# Altium PCB main_MM.PcbDoc (part 1 of 2) (continued)
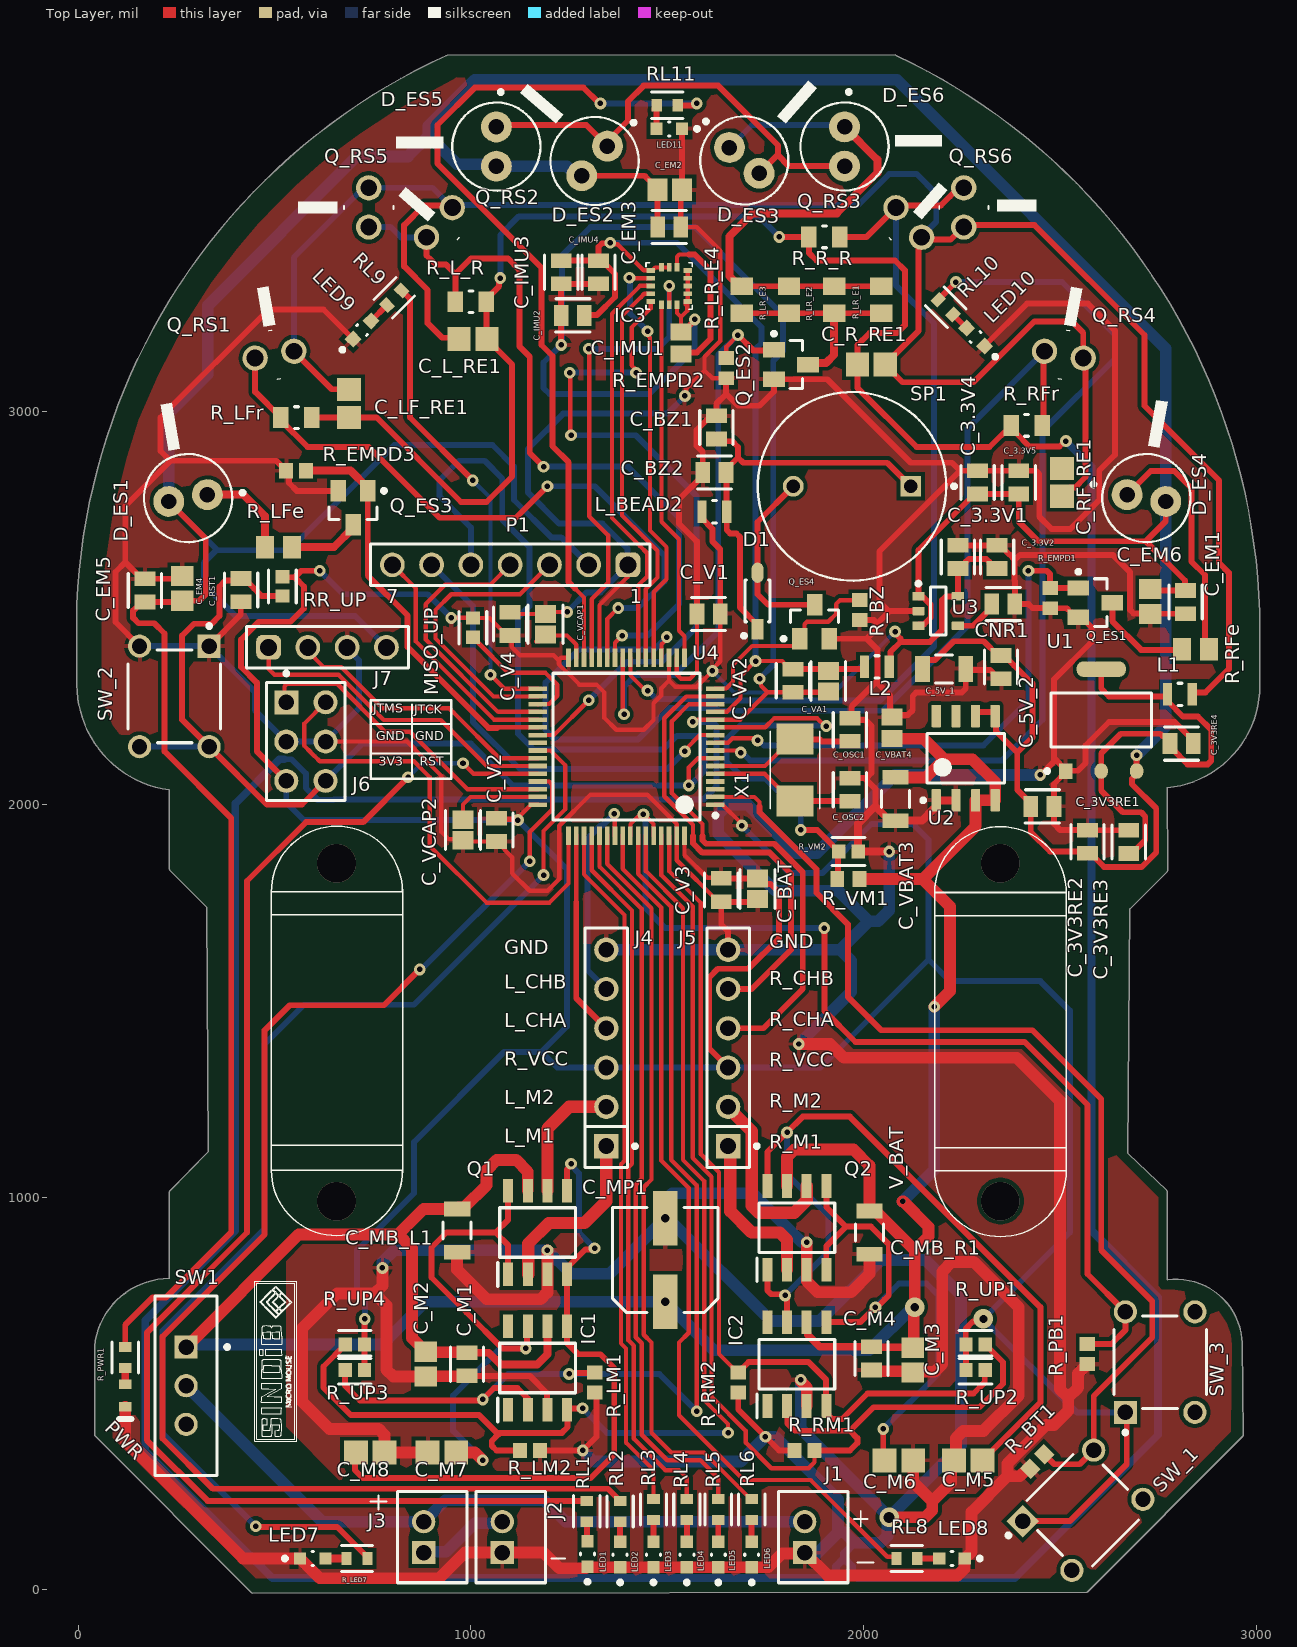
[diagram p0: Top Layer view]
## Footprints (in the part's own frame and the unit in brackets; to place one, negate y for a bottom-side part, rotate by r counter-clockwise, add the part's x,y. Pads: shape width x height; smd on the part's side, far side on the other; paste and mask are expansions set on the pad)
61300411121 [mm] "Pin Header, pitch 2.54 mm, THT, Vertical, single row, 4p"
  rrect50% 1.6x1.6 hole 1.1: 1(-3.81,0)
  round 1.6 hole 1.1: 2(-1.27,0) 3(1.27,0) 4(3.81,0)
  silkscreen extent -5.23,-1.35 5.23,1.35, body extent -5.08,-1.27 5.08,1.27, height 8.57
61300711121 [mm] "Pin Header, pitch 2.54 mm, THT, Vertical, single row, 7p"
  rrect50% 1.6x1.6 hole 1.1: 1(-7.62,0)
  round 1.6 hole 1.1: 2(-5.08,0) 3(-2.54,0) 4(0,0) 5(2.54,0) 6(5.08,0) 7(7.62,0)
  silkscreen extent -9.04,-1.34 9.04,1.34, body extent -8.89,-1.27 8.89,1.27, height 8.57
CAPC2013X88X50LL20T25 [mm] "Chip Capacitor, 2-Leads, Body 2.00x1.25mm, IPC High Density"
  rect 1.1x1.35 smd: 1(-0.7,0) 2(0.7,0)
  body extent -1.1,-0.72 1.1,0.72, height 0.88
CAPC2013X94X50ML20T25 [mm] "Chip Capacitor, 2-Leads, Body 2.01x1.25mm, IPC Low Density"
  rect 1.55x1.55 smd: 1(-0.925,0) 2(0.925,0)
  body extent -1.1,-0.72 1.11,0.72, height 0.94
CAPC2013X145X50LL20T25 [mm] "Chip Capacitor, 2-Leads, Body 2.00x1.25mm, IPC High Density"
  rect 1.1x1.35 smd: 1(-0.7,0) 2(0.7,0)
  body extent -1.1,-0.72 1.1,0.72, height 1.45
CAPC2013X145X50ML20T25 [mm] "Chip Capacitor, 2-Leads, Body 2.00x1.25mm, IPC Low Density"
  rect 1.5x1.55 smd: 1(-0.9,0) 2(0.9,0)
  body extent -1.1,-0.72 1.1,0.72, height 1.45
CAPC2013X145X50NL20T25 [mm] "Chip Capacitor, 2-Leads, Body 2.00x1.25mm, IPC Medium Density"
  rect 1.3x1.45 smd: 1(-0.8,0) 2(0.8,0)
  body extent -1.1,-0.72 1.1,0.72, height 1.45
D0008A_N [mm] "SOIC, 8-Leads, Body 5x4mm, Pitch 1.27mm, IPC Medium Density"
  rrect17% 1.45x0.6 smd: 1(-2.725,1.905) 2(-2.725,0.635) 3(-2.725,-0.635) 4(-2.725,-1.905) 5(2.725,-1.905) 6(2.725,-0.635) 7(2.725,0.635) 8(2.725,1.905)
  silkscreen extent -2.85,-2.5 1.6,2.88, body extent -3,-2.45 3,2.45, height 1.63
DBV0005A_L [mm] "SOT23, 5-Leads, Body 3.05x1.75mm, Pitch 0.95mm, IPC High Density"
  rrect18% 0.8x0.55 smd: 1(-1.275,0.95) 2(-1.275,0) 3(-1.275,-0.95) 4(1.275,-0.95) 5(1.275,0.95)
  silkscreen extent -1.4,-1.55 0.5,1.9, body extent -1.42,-1.46 1.42,1.46, height 1.08
ESWI-EG1218_V [mm] "THD, 3-Leads, Body 11.6x4mm, Pitch 2.5mm"
  rect 1.5x1.5 hole 1: 1(-2.5,0)
  round 1.5 hole 1: 2(0,0) 3(2.5,0)
  silkscreen extent -5.8,-2 5.8,2.78, body extent -5.8,-2 5.8,2, height 7.4
FAIR-FDV303N-3_V [mm] "SOT23, 3-Leads, Body 3.12x1.50mm, Pitch 0.95mm"
  rect 1.4x1 smd: 1(-1.1,0.95) 2(-1.1,-0.95) 3(1.1,0)
  silkscreen extent -1.22,-1.55 0.75,2.12, body extent -0.75,-1.56 0.75,1.56, height 1.2
FP-22-28-4063-MFG [mm]
  rect 1.57x1.57 hole 1.02 paste-1000 mask+0: 1(-6.35,0)
  round 1.57 hole 1.02 paste-1000 mask+0: 2(-3.81,0) 3(-1.27,0) 4(1.27,0) 5(3.81,0) 6(6.35,0)
  silkscreen extent -7.75,-1.97 7.75,1.37, body extent -7.85,-1.47 7.85,1.47, height 0.25
FP-90131-0763-MFG [mm]
  rect 1.55x1.55 hole 1 paste-1000 mask+0: 1(-2.54,-1.27)
  round 1.55 hole 1 paste-1000 mask+0: 2(-2.54,1.27) 3(0,-1.27) 4(0,1.27) 5(2.54,-1.27) 6(2.54,1.27)
  silkscreen extent -4.53,-2.54 3.81,2.54, body extent -3.91,-2.64 3.91,2.64, height 0.25
FP-AI-1223-TWT-3V-2-R-MFG [mm]
  rect 1.35x1.35 hole 0.85 paste-1000 mask+0: 1(-3.8,0)
  round 1.35 hole 0.85 paste-1000 mask+0: 2(3.8,0)
  silkscreen extent -6.73,-6.1 6.1,6.1, body extent -6.2,-6.2 6.2,6.2, height 0.25
FP-AMS1117-IPC_C [mm]
  rect 1.004x0.872 smd paste+0 mask+0: 1(-3.295,2.29)
  rrect100% 1.004x0.872 smd paste+0 mask+0: 2(-3.295,0) 3(-3.295,-2.29)
  rrect87% 1.004x3.182 smd paste+0 mask+0: 4(3.295,0)
  silkscreen extent -3.42,-3.25 1.75,3.62, body extent -3.9,-3.35 3.9,3.35, height 0.25
FP-C0805C-DG-MFG [mm]
  rect 0.95x1.35 smd paste+0 mask+0: 1(-0.75,0) 2(0.75,0)
  silkscreen extent -1.11,-1.08 1.1,1.07, body extent -1.4,-0.85 1.4,0.85, height 0.25
FP-C0805C-DN-MFG [mm]
  rect 0.95x1.35 smd paste+0 mask+0: 1(-0.75,0) 2(0.75,0)
  silkscreen extent -1.1,-1.07 1.1,1.07, body extent -1.4,-0.85 1.4,0.85, height 0.25
FP-C1206C-EH-MFG [mm]
  rect 0.95x1.7 smd paste+0 mask+0: 1(-1.4,0) 2(1.4,0)
  silkscreen extent -0.55,-0.9 0.55,0.9, body extent -2,-1 2,1, height 0.25
FP-C2012-125-0_2-IPC_C [mil]
  rect 46.38x53.39 smd paste+0 mask+0: 1(-26.14,0) 2(26.14,0)
  silkscreen extent -49,-44 49,44, body extent -53,-32 53,32, height 10
FP-ERA3A-IPC_C [mil]
  rect 33.66x35.68 smd paste+0 mask+0: 1(-24.63,0) 2(24.63,0)
  silkscreen extent -41,-35 41,35, body extent -45,-24 45,24, height 10
FP-LB2012-1_25-0_2-MFG [mm]
  rect 0.6x1.45 smd paste+0 mask+0: 1(-0.8,0) 2(0.8,0)
  silkscreen extent -0.13,-0.73 0.13,0.73, body extent -1.2,-0.82 1.2,0.82, height 0.25
FP-RC0603-0_55-IPC_C [mil]
  rect 25.93x31.97 smd paste+0 mask+0: 1(-26.64,0) 2(26.64,0)
  silkscreen extent -40,-33 40,33, body extent -44,-22 44,22, height 10
FP-RN732A-MFG [mm]
  rect 1x1.35 smd paste+0 mask+0: 1(-1,0) 2(1,0)
  silkscreen extent -0.13,-0.7 0.13,0.7, body extent -1.6,-0.8 1.6,0.8, height 0.25
FP-SFH_4556-MFG [mm]
  round 2 hole 1 paste-1000 mask+0: 1(-1.27,0) 2(1.27,0)
  silkscreen extent -3.65,-2.85 2.85,2.85, body extent -2.95,-2.95 2.95,2.95, height 0.25
FP-SML-D12-MFG [mm]
  rect 0.8x0.8 smd paste+0 mask+0: 1(-0.825,0) 2(0.825,0)
  silkscreen extent -1.92,-0.45 0.05,0.45, body extent -1.33,-0.55 1.33,0.55, height 0.25
FP-SOD-123-IPC_A [mm]
  rect 1.308x0.762 smd paste+0 mask+0: 1(-1.825,0)
  rrect100% 1.308x0.762 smd paste+0 mask+0: 2(1.825,0)
  silkscreen extent -2.39,-0.8 1.35,1.01, body extent -2.98,-1.3 2.98,1.3, height 0.25
H3LIS100DLTR [mm]
  rect 0.55x0.3 smd: 1(-1.2,1) 2(-1.2,0.5) 3(-1.2,0) 4(-1.2,-0.5) 5(-1.2,-1) 9(1.2,-1) 10(1.2,-0.5) 11(1.2,0) 12(1.2,0.5) 13(1.2,1)
  rect 0.3x0.55 smd: 6(-0.5,-1.2) 7(0,-1.2) 8(0.5,-1.2) 14(0.5,1.2) 15(0,1.2) 16(-0.5,1.2)
  silkscreen extent -1.5,-1.5 1.5,1.5, body extent -1.5,-1.5 1.5,1.5, height 1
JST-B2B-PH-K-S_V [mm] "Connector, 2-Leads, Body 5.9x4.5mm, Pitch 2mm"
  rect 1.5x1.5 hole 1: 1(-1,0.55)
  round 1.5 hole 1: 2(1,0.55)
  silkscreen extent -2.95,-2.25 2.95,2.25, body extent -2.95,-2.25 2.95,2.25, height 6
NETTIE_SMD [mil] "Net Tie"
  rect 3x3 smd mask-393.7: 1(-6.17,0.03) 2(5.74,0.03)
  Top Layer region: -5.11,0.71 4.89,0.71 4.89,-0.79 -5.11,-0.79
NIC-CAPA2-6.3X7.7_V [mm] "Aluminum Electrolytic Capacitor, Diameter 6.3mm, Height 8mm, Pitch 5.4mm"
  rect 3.5x1.6 smd: 1(-2.7,0) 2(2.7,0)
  silkscreen extent -3.4,-3.4 3.4,3.4, body extent -3.14,-3.12 3.14,3.15, height 8
NX5032GA16000000MHZLNCD1 [mm]
  rect 2x2.4 smd: 1(-2,0) 2(2,0)
  silkscreen extent -2.5,-1.6 2.5,1.6, body extent -2.8,-1.6 2.8,1.6, height 1.6
RESC1608X55X30ML15T15 [mm] "Chip Resistor, 2-Leads, Body 1.60x0.80mm, IPC Low Density"
  rect 0.9x1.05 smd: 1(-0.725,0) 2(0.725,0)
  body extent -0.87,-0.48 0.87,0.48, height 0.55
RESC1608X55X30NL20T20 [mm] "Chip Resistor, 2-Leads, Body 1.60x0.80mm, IPC Medium Density"
  rect 0.9x1 smd: 1(-0.65,0) 2(0.65,0)
  body extent -0.9,-0.5 0.9,0.5, height 0.55
RESC2013X70X40NL20T20 [mm] "Chip Resistor, 2-Leads, Body 2.00x1.25mm, IPC Medium Density"
  rect 1.15x1.45 smd: 1(-0.875,0) 2(0.875,0)
  body extent -1.1,-0.72 1.1,0.72, height 0.7
SOIC127P600X175-8N [mm]
  rect 1.525x0.65 smd: 1(-2.712,1.905) 2(-2.712,0.635) 3(-2.712,-0.635) 4(-2.712,-1.905) 5(2.712,-1.905) 6(2.712,-0.635) 7(2.712,0.635) 8(2.712,1.905)
  silkscreen extent -3.47,-2.45 1.6,2.58, body extent -3,-2.45 3,2.45, height 1.75
STM-LQFP64_V [mm] "Thin QFP, 64-Leads, Body 10x10mm, Pitch 0.5mm, ST Recommended"
  rect 1.2x0.3 smd: 1(-5.75,3.75) 2(-5.75,3.25) 3(-5.75,2.75) 4(-5.75,2.25) 5(-5.75,1.75) 6(-5.75,1.25) 7(-5.75,0.75) 8(-5.75,0.25) 9(-5.75,-0.25) 10(-5.75,-0.75) 11(-5.75,-1.25) 12(-5.75,-1.75) 13(-5.75,-2.25) 14(-5.75,-2.75) 15(-5.75,-3.25) 16(-5.75,-3.75) 33(5.75,-3.75) 34(5.75,-3.25) 35(5.75,-2.75) 36(5.75,-2.25) 37(5.75,-1.75) 38(5.75,-1.25) 39(5.75,-0.75) 40(5.75,-0.25) 41(5.75,0.25) 42(5.75,0.75) 43(5.75,1.25) 44(5.75,1.75) 45(5.75,2.25) 46(5.75,2.75) 47(5.75,3.25) 48(5.75,3.75)
  rect 0.3x1.2 smd: 17(-3.75,-5.75) 18(-3.25,-5.75) 19(-2.75,-5.75) 20(-2.25,-5.75) 21(-1.75,-5.75) 22(-1.25,-5.75) 23(-0.75,-5.75) 24(-0.25,-5.75) 25(0.25,-5.75) 26(0.75,-5.75) 27(1.25,-5.75) 28(1.75,-5.75) 29(2.25,-5.75) 30(2.75,-5.75) 31(3.25,-5.75) 32(3.75,-5.75) 49(3.75,5.75) 50(3.25,5.75) 51(2.75,5.75) 52(2.25,5.75) 53(1.75,5.75) 54(1.25,5.75) 55(0.75,5.75) 56(0.25,5.75) 57(-0.25,5.75) 58(-0.75,5.75) 59(-1.25,5.75) 60(-1.75,5.75) 61(-2.25,5.75) 62(-2.75,5.75) 63(-3.25,5.75) 64(-3.75,5.75)
  silkscreen extent -5.87,-4.75 4.75,4.75, body extent -5,-5 5,5, height 1.6
TECO-1825910-6_V [mm] "Switch, 4-Leads, Body 5.99x5.99mm"
  rect 1.5x1.5 hole 0.99: 1(-3.25,2.25)
  round 1.5 hole 0.99: 2(3.25,2.25) 3(-3.25,-2.25) 4(3.25,-2.25)
  silkscreen extent -4.67,-3 3,3, body extent -3,-2.99 2.99,3, height 5
TEFT4300 [mm]
  round 1.635 hole 1.09: 1(-1.27,0) 2(1.27,0)
  silkscreen extent -0.1,-1.6 0.1,1.6, body extent -1.72,-0.44 1.72,0.44, height 0.1
VISH-TLMX1100_V [mm] "SMD, 2-Leads, Body 1.6x0.8mm"
  rect 0.6x0.8 smd: 1(-0.725,0) 2(0.725,0)
  silkscreen extent 1.53,-0.4 1.53,0.4, body extent -0.8,-0.4 0.8,0.4, height 0.65

## Part data
C_3.3V1 C_3.3V4 C_3V3RE1 C_3V3RE4 C_BZ1 C_IMU2: library part CMP-2007-03243-2, "CAP CER 10UF 10V X5R 0805", 3DS Part Number=220-00001, Capacitance=10uF, Manufacturer=Kemet, Package=C0805C-DG, Temperature="-55°C to +85°C", Temperature Characteristic=X5R, Temperature Coefficient=15%, Temperature Range High=+85°C, Temperature Range Low=-55°C, Tolerance=10%, Voltage=10V, Automotive=No, Category=Cap, ComponentLink2Description=Datasheet, ComponentLink2URL=https://content.kemet.com/datasheets/KEM_C1006_X5R_SMD.pdf, Device Class L1="Passive Components", Device Class L2=Capacitors, Device Class L3="Ceramic Capacitors", Digikey Description="CAP CER 10UF 10V X5R 0805", Height=1.4mm, Ipc Land Pattern Name=CAPC200125X125, Lead Free=Yes, Manufacturer Part Number=C0805C106K8PACTU, Material=Ceramic, Mouser Description="CAP CER 10UF 10V X5R 0805", Octopart=https://octopart.com/c0805c106k8pactu-kemet-98697, RoHS=TRUE, Voltage Rating=10V
C_3.3V2 C_3.3V5 C_3V3RE2 C_3V3RE3 C_5V_2 C_BZ2 C_EM1 C_EM3 C_EM5 C_IMU3 C_IMU4 C_M1 C_M4 C_RST1 C_V1 C_V2 C_V3 C_V4 C_VA2 CNR1: library part CMP-03020-032188-1, "CAP CER 0.1UF 10V 5% X7R 0805", Capacitance="0.10 μF", Manufacturer=KEMET, Package=C0805C-DN, Temperature="-55°C to +125°C", Temperature Characteristic=X7R, Temperature Coefficient=30ppm/°C, Temperature Range High=+125°C, Temperature Range Low=-55°C, Tolerance=0.05, Voltage Rating="10 V", Automotive=No, Category=Cap, ComponentLink2Description=Datasheet, ComponentLink2URL=https://content.kemet.com/datasheets/KEM_C1003_C0G_SMD.pdf, Device Class L1="Passive Components", Device Class L2=Capacitors, Device Class L3="Ceramic Capacitors", Digikey Description="CAP CER 0.1UF 10V 5% X7R 0805", Height=0.88mm, Ipc Land Pattern Name=CAPC200125X78, Lead Free=Yes, Manufacturer Part Number=C0805C104J8RACTU, Material=Ceramic, Mouser Description="Multilayer Ceramic Capacitors MLCC - SMD/SMT 10volts 0.1uF X7R 5%", Octopart=https://octopart.com/c0805c104j8ractu-kemet-11807087, RoHS=TRUE
C_5V_1 C_MB_L1 C_MB_R1 C_VBAT3: library part CMP-1037-05005-3, "CAP CER 100UF 6.3V X5R 1206", Capacitance=100uF, Case Code (Imperial)=1206, Case Code (Metric)=3216, Dielectric=X5R, Dielectric Material=Ceramic, Max Operating Temperature=85°C, Min Operating Temperature=-55°C, Package Quantity=1, Tolerance=2%, Voltage=6.3V, Case/Package=1206, Construction=Flat, Depth=1.6mm, Dissipation Factor=5%, Height=1.6mm, Lead Free="Lead Free", Length=3.2mm, Mount="Surface Mount", Number of Pins=2, Packaging="Tape and Reel", Radiation Hardening=No, REACH SVHC="No SVHC", RoHS Compliant=Yes, Series=C, Termination=SMD/SMT, Thickness=0.071inch, Voltage Rating=6.3V, Voltage Rating (DC)=6.3V, Width=0.063inch
C_BAT C_VA1 C_VCAP1 C_VCAP2: library part CMP-08246-005698-1, "Multilayer Ceramic Capacitors 2.2μF ±10% 50V X5R SMD 0805", Capacitance=2.2uF, Case Code (Imperial)=0805, Case Code (Metric)=2012, Dielectric=X5R, Dielectric Material=Ceramic, Insulation Resistance=10GR, Max Operating Temperature=85°C, Min Operating Temperature=-55°C, Package Quantity=1, Tolerance=10%, Voltage Rating=50V, Case/Package=0805, Construction=Flat, Depth=1.25mm, Dissipation Factor=5%, Height=1.25mm, Lead Free="Lead Free", Length=2mm, Mount="Surface Mount", Packaging="Tape and Reel", Radiation Hardening=No, REACH SVHC="No SVHC", Resistor Type=Ceramic, RoHS Compliant=Yes, Series=C, Termination=SMD/SMT, Thickness=0.057inch, Voltage Rating (DC)=50V, Weight=0.000194oz, Width=1.2mm
C_EM2 C_EM4 C_EM6 C_M2 C_M3: library part CMP-2007-01014-1, Capacitance=4.7uF, Manufacturer=Kemet, Part Number=C0805C475M3PACTU
C_IMU1: library part CMP-2007-00266-1, Capacitance=0.01uF, Manufacturer=Kemet, Part Number=C0805C103K5RACTU
C_L_RE1 C_LF_RE1 C_R_RE1 C_RF_RE1: library part CMP-1036-04819-2, Manufacturer=Kemet, Part Number=C0805C225K9PACTU
C_M5 C_M6 C_M7 C_M8: library part CMP-2007-04179-1, Capacitance=1.5nF, Manufacturer="AVX Interconnect / Elco", Part Number=08051C152KAT2A
C_MP1: library part CMP-0687-00055-1, "Aluminum Electrolytic Capacitor, UD Series, Low Impedance, 220 uF, 10 V, + / - 20%, -55 to 105 degC, Chip Type, 6.3 x 7.7 mm D x L, Pb-Free, Reel", Manufacturer=Nichicon, Rated Capacitance="220 uF", Rated Ripple Current (at 100kHz)="280 mA", Rated Voltage="10 V", Tolerance Rated Capacitance="-20 to 20%", ComponentLink1Description="Manufacturer URL", ComponentLink1URL=http://www.nichicon.co.jp/, ComponentLink2Description=Datasheet, ComponentLink2URL=http://products.nichicon.co.jp/en/pdf/XJA043/e-ud.pdf, ComponentLink3Description="Package Specification", ComponentLink3URL=http://products.nichicon.co.jp/en/pdf/XJA043/e-ud.pdf, DatasheetVersion=08/2012, Diameter="6.3 mm", Endurance Time="2000 h", Impedance="0.34 Ohm", Length="7.7 mm", Mounting Technology="Surface Mount", PackageDescription="2-Pin Surface Mount Device, Diameter 6.3 mm, Height 7.7 mm, Pitch 5.4 mm", PackageReference=CAPAE-D6.3H7.7, Packing="Dia382mm Reel", PartNumber=UUD1A221MCL1GS, RoHS=TRUE
C_OSC1 C_OSC2: library part CMP-2007-00462-2, "CAP CER 10PF 50V 10% NP0 0805", Capacitance="10 pF", Manufacturer=KEMET, Package=C0805C-DN, Temperature="-55°C to +125°C", Temperature Characteristic=C0G, Temperature Coefficient=30ppm/°C, Temperature Range High=+125°C, Temperature Range Low=-55°C, Tolerance=0.1, Voltage Rating="50 V", Automotive=No, Category=Cap, ComponentLink2Description=Datasheet, ComponentLink2URL=https://content.kemet.com/datasheets/KEM_C1003_C0G_SMD.pdf, Device Class L1="Passive Components", Device Class L2=Capacitors, Device Class L3="Ceramic Capacitors", Digikey Description="CAP CER 10PF 50V 10% NP0 0805", Height=0.88mm, Ipc Land Pattern Name=CAPC200125X78, Lead Free=Yes, Manufacturer Part Number=C0805C100K5GACTU, Material=Ceramic, Mouser Description="Multilayer Ceramic Capacitors MLCC - SMD/SMT 50volts 10pF C0G 10%", Octopart=https://octopart.com/c0805c100k5gactu-kemet-8089747, RoHS=TRUE
C_VBAT4: library part CMP-1036-04746-2, Manufacturer=Kemet, Part Number=C0805C105K4PACTU
D1: library part CMP-2000-04993-2, "DIODE GEN PURP 100V 150MA SOD123", Average Rectified Current=150mA, Capacitance=4pF, Forward Voltage=1V, Max Forward Surge Current (Ifsm)=1A, Max Operating Temperature=150°C, Max Repetitive Reverse Voltage (Vrrm)=100V, Max Reverse Leakage Current=5uA, Max Surge Current=2A, Min Operating Temperature=-65°C, Package Quantity=3000, Power Dissipation=400mW, Current Rating=150mA, Element Configuration=Single, Forward Current=150mA, Height=1.2mm, Lead Free="Lead Free", Length=2.85mm, Max Reverse Voltage (DC)=100V, Mount="Surface Mount", Number of Pins=2, Output Current=150mA, Packaging="Tape and Reel", Peak Non-Repetitive Surge Current=2A, Polarity=Standard, Radiation Hardening=No, Recovery Time=4ns, Reverse Recovery Time=4ns, Voltage Rating (DC)=100V, Width=1.8mm
D_ES1 D_ES2 D_ES3 D_ES4 D_ES5 D_ES6: library part CMP-62016-000017-1, "EMITTER IR 950NM 100MA RADIAL", Colour=Infrared, Forward Current=100mA, Forward Voltage=1.5V, Manufacturer="Osram Opto", Manufacturer Part Number="SFH 4545", Reverse Voltage=12V, Temperature="-40°C to +100°C", Temperature Range High=+100°C, Temperature Range Low=-40°C, Automotive=No, Category=Diode, ComponentLink2Description=Datasheet, ComponentLink2URL=https://dammedia.osram.info/media/resource/hires/osram-dam-2496340/SFH%204556.pdf, Device Class L1=Optoelectronics, Device Class L2=LEDs, Device Class L3=unset, Digikey Description="EMITTER IR 950NM 100MA RADIAL", Lead Free=Yes, Led Orientation=Straight, Mouser Description="SFH 4556 Osram Opto, 860nm IR LED, 5mm (T-1 3/4) Through Hole package", Package="SFH 4545", Peak Emmision Wavelength=950nm, RoHS=TRUE, Viewing Angle=10°
IC1 IC2: "Integrated Circuit", Manufacturer_Name=Microchip, Mouser Part Number=579-TC4427ACOA, Arrow Part Number=TC4427ACOA, Arrow Price/Stock=https://www.arrow.com/en/products/tc4427acoa/microchip-technology?region=europe, Datasheet Link=https://datasheet.datasheetarchive.com/originals/distributors/Datasheets-306/110017.pdf, Height=1.75mm, Manufacturer_Part_Number=TC4427ACOA, Mouser Price/Stock=https://www.mouser.co.uk/ProductDetail/Microchip-Technology/TC4427ACOA?qs=g6BBfX6YTklnRUZ4V7kDWA%3D%3D
IC3: "Integrated Circuit", Manufacturer_Name=STMicroelectronics, Mouser Part Number=511-L3GD20HTR, Arrow Part Number=L3GD20HTR, Arrow Price/Stock=https://www.arrow.com/en/products/l3gd20htr/stmicroelectronics, Datasheet Link=http://www.st.com/content/ccc/resource/technical/document/datasheet/35/b1/e0/39/71/57/43/01/DM00060659.pdf/files/DM00060659.pdf/jcr:content/translations/en.DM00060659.pdf, Height=1mm, Manufacturer_Part_Number=L3GD20HTR, Mouser Price/Stock=https://www.mouser.co.uk/ProductDetail/STMicroelectronics/L3GD20HTR?qs=7v3IMFVTeKNoM%2F2Sb4QSlQ%3D%3D
J1 J2 J3: library part CMP-2000-05162-1, "Male Header, Pitch 2 mm, 1 x 2 Position, Height 6 mm, Tail Length 3.4 mm, -25 to 85 degC, RoHS, Bulk", Manufacturer=JST, Datasheet URL=http://datasheet.octopart.com/B2B-PH-K-S%28LF%29%28SN%29-JST-datasheet-8324864.pdf, Datasheet Version=Nov-08, Manufacturer URL=http://www.jst.com/home2.html, No of Positions=2, Pitch=2mm, Style/Orientation=StraightHeader/Plug, Termination=Crimp, Type=ShroudedHeader
J4 J5: library part CMP-04776-000885-1, "CONN HEADER VERT 6POS 2.54MM", Color=Black, Contact Resistance=20mR, Current Rating=4A, Flammability Rating="UL94 V-0", Max Operating Temperature=75°C, Max Voltage Rating (AC)=250V, Max Voltage Rating (DC)=250.25kV, Min Operating Temperature=0°C, Package Quantity=1, Connector Type="Male Pin", Contact Material=Brass, Contact Mating Length=0.24inch, Contact Plating=Gold, Contact Type="Male Pin", Depth=2.49mm, Gender=Male, Glow Wire Compliant=Non-compliant, Housing Color=Black, Housing Material=Thermoplastic, Lead Free="Lead Free", Mount="Through Hole", Number of Circuits=6, Number of Contacts=6, Number of Positions=6, Number of Rows=1, Orientation=Straight, Packaging=Bulk, Pitch=2.54mm, Radiation Hardening=No, RoHS Compliant=Yes, Series="KK® 42375", Termination=Solder, Voltage Rating=250V, Voltage Rating (DC)=250V
J6: library part CMP-00257-00655468-1, "90131-0763 Conn Unshrouded Header HDR 6 POS 2.54mm Solder ST Top Entry Thru-Hole C-Grid III™ Tray", Contact Resistance=20mΩ, Current Rating=3A, Housing Color=Black, Insulation Resistance=5GΩ, Manufacturer Lifecycle Status=ACTIVE, Max Operating Temperature=125°C, Min Operating Temperature=-55°C, Voltage Rating=350V, Contact Material=Brass, Contact Plating=Gold, Country of Origin=SG, Gender=Male, Height=9.65mm, Housing Material=Polyester, Lead Free="Lead Free", Lead Pitch=2.54mm, Lifecycle Status=Production, Material="Glass, Polyester", Mount="Through Hole", NexarPartId=655468, Number of Circuits=6, Number of Contacts=6, Number of Poles=6, Number of Positions=6, Number of Rows=2, Orientation=Vertical, Pitch=2.54mm, Plating=Tin, Radiation Hardening=No, REACH SVHC=Unknown, RoHS=Compliant, Schedule B=8536694040, Termination="Through Hole", Voltage Rating (AC)=350V, Voltage Rating (DC)=350V, Working Voltage=350V
J7: library part CMP-1502-01064-2, Color=Black, Contact Resistance=20mΩ, Current Rating=3A, Max Operating Temperature=105°C, Min Operating Temperature=-40°C, Operating Supply Voltage=250V, Connector Type="Male Pin", Contact Material=Copper, Contact Mating Length=5.9944mm, Contact Plating=Gold, Gender=Male, Height=8.89mm, Lead Free="Lead Free", Lead Pitch=2.54mm, Mount="Through Hole", NexarPartId=32855522, Number of Contacts=4, Number of Pins=4, Number of Positions=4, Number of Rows=1, Orientation=Vertical, Packaging=Bulk, Pitch=2.54mm, REACH SVHC=Unknown, RoHS=Compliant, Termination=Solder, Voltage Rating=250V
L1 L2 L_BEAD2: library part CMP-14484-000421-1, "SMD Inductors 10uH ±10% 0.15A 0.468Ω 0805", Case Code (Imperial)=0805, Case Code (Metric)=2012, Current Rating=150mA, DC Resistance (DCR)=360mR, Inductance=10uH, Inductance Tolerance=10%, Max Operating Temperature=105°C, Min Operating Temperature=-40°C, Package Quantity=3000, Resistor Type=Wirewound, Self Resonant Frequency=32MHz, Test Frequency=2.52MHz, Case/Package=0805, Core Material=Ferrite, DC Current=150mA, Depth=1.45mm, Halogen Free="Halogen Free", Height=1.6mm, Height - Seated (Max)=0.057inch, Lead Free="Lead Free", Lead Pitch=1mm, Length=0.079inch, Max DC Current=150mA, Military Standard=Not, Mount="Surface Mount", Packaging="Tape and Reel", Radiation Hardening=No, RoHS Compliant=Yes, Series=LB, Shielding=Unshielded, Termination=SMD/SMT, Tolerance=10%, Weight=0.000194oz, Width=1.6mm
LED1 LED2 LED3 LED4 LED5 LED6 LED7 LED8 LED9 LED10 LED11: library part CMP-08952-000005-1, "LED YLW/GREEN DIFFUSED 1608 SMD", Colour=Green, Forward Current=20mA, Forward Voltage=2.2V, Manufacturer=Rohm, Package=SML-D12, Power Dissipation=54mW, Reverse Voltage=5V, Temperature="-40°C to +85°C", Temperature Range High=+85°C, Temperature Range Low=-40°C, Automotive=No, Category=Diode, ComponentLink2Description=Datasheet, ComponentLink2URL=https://www.rohm.com/datasheet/SML-D12M1W, Device Class L1=Optoelectronics, Device Class L2=LEDs, Device Class L3=unset, Digikey Description="LED YLW/GREEN DIFFUSED 1608 SMD", Height=0.65mm, Lead Free=Yes, Led Orientation="Top View", Luminous Intensity=30mcd, Manufacturer Part Number=SML-D12M1WT86, Octopart=https://octopart.com/sml-d12m1wt86-rohm-70837112, RoHS=TRUE, Wavelength=572nm
MISO_UP R_UP1 R_UP2 R_UP3 R_UP4 R_VM2 RR_UP: library part CMP-2000-00874-2, "RES SMD 10K OHM 0.1% 1/10W 0603", Case Code (Imperial)=0603, Case Code (Metric)=1608, Max Operating Temperature=155°C, Max Power Dissipation=100mW, Min Operating Temperature=-55°C, Package Quantity=5000, Resistance=10kR, Resistance Tolerance=0.1%, Resistor Type="Thin Film", Temperature Coefficient=25ppm/°C, Voltage Rating=75V, Case/Package=0603, Construction=Rectangular, Contact Plating=Tin, Depth=0.8mm, Height=0.45mm, Lead Free="Lead Free", Length=1.6mm, Military Standard=Not, Mount="Surface Mount", Number of Pins=2, Number of Terminations=2, Packaging="Tape and Reel", Power Rating=100mW, Radiation Hardening=No, REACH SVHC="No SVHC", RoHS Compliant=Yes, Series=ERA-3A, Size Code=0603, Technology="METAL FILM", Termination=SMD/SMT, Tolerance=0.1%, Voltage Rating (DC)=75V, Width=0.8mm
NT1 NT2 NT3: library part NetTie_SMD, "Net Tie", Type=NetI
P1: library part CMP-1502-01074-2, Color=Black, Contact Resistance=20mΩ, Current Rating=3A, Operating Supply Voltage=250V, Connector Type="Male Pin", Contact Material=Copper, Contact Mating Length=5.9944mm, Contact Plating=Gold, Gender=Male, Lead Pitch=2.54mm, Mount="Through Hole", NexarPartId=32855531, Number of Contacts=7, Number of Pins=7, Number of Positions=7, Number of Rows=1, Orientation=Vertical, Packaging=Bulk, Pitch=2.54mm, REACH SVHC=Unknown, RoHS=Compliant, Termination=Solder
PWR: library part CMP-1666-00027-1, "LED, RED, 2.1 V, -40 to 100 degC, 2-Pin SMD (0603), RoHS, Tape and Reel", Capacitance="12 pF", Case Code (Imperial)=0603, Case Code (Metric)=1608, Max Operating Temperature=125degC, Min Operating Temperature=-55degC, Package Quantity=4000, Resistance="100000000000 Ohm", Tolerance=5%, Type (Capacitors)=C0G, Voltage Rating="50 V", Case/Package=0603, ComponentLink1Description="Manufacturer URL", ComponentLink1URL=http://www.vishay.com/, ComponentLink2Description=Datasheet, ComponentLink2URL=http://www.vishay.com/docs/83173/tlmb1100.pdf, DatasheetVersion="Rev. 2.7, 03/2016", Height="0.8 mm", Length="1.6 mm", Mount="Surface Mount", PackageDescription="2-Pin Surface Mount Device, Body 1.6 x 0.8 mm", PackageReference=TLMX1100, Packaging="Tape and Reel", Pins=2, Radiation Hardening=No, REACH SVHC="No SVHC", RoHSCompliant=True, Voltage Rating (DC)="50 V", Width="0.8 mm"
Q1 Q2: "MOSFET (N-Channel)", Manufacturer_Name="Diodes Inc.", Mouser Part Number=522-ZXMHC3F381N8TC, Arrow Part Number=ZXMHC3F381N8TC, Arrow Price/Stock=https://www.arrow.com/en/products/zxmhc3f381n8tc/diodes-incorporated?region=nac, Datasheet Link=https://www.diodes.com/assets/Datasheets/ZXMHC3F381N8.pdf, Height=1.75mm, Manufacturer_Part_Number=ZXMHC3F381N8TC, Mouser Price/Stock=https://www.mouser.co.uk/ProductDetail/Diodes-Incorporated/ZXMHC3F381N8TC?qs=7E5rbXJDVJoJr15tcLBfrA%3D%3D
Q_ES1 Q_ES2 Q_ES3 Q_ES4: library part CMP-2000-05111-1, "N-Channel MOSFET Transistor, 8 V VGSS, 25 V VDSS, 0.68 A, -55 to 150 degC, 3-Pin SOT23, RoHS, Tape and Reel", Manufacturer=Fairchild, Maximum Continuous Drain Current=0.68A, Maximum Drain Source Voltage=25V, Maximum Gate Source Voltage=8V, Operating Temperature=-55to150degC, Package=3SOT-23, Category=MOSFET, Channel Mode=Enhancement, Channel Type=N, Datasheet URL=https://datasheet.ciiva.com/22681/1845307-22681736.pdf, Datasheet Version="Rev. D2, 07/2014", Manufacturer URL=https://www.fairchildsemi.com/, Mounting=SurfaceMount, Packaging=Tape&Reel, Rad Hard=No, RDS-on=450@4.5VmOhm, Typical Fall Time=13ns, Typical Rise Time=8.5ns, Typical Turn-Off Delay Time=17ns, Typical Turn-On Delay Time=3ns
Q_RS1 Q_RS2 Q_RS3 Q_RS4 Q_RS5 Q_RS6: "Phototransistor", Manufacturer_Name=Vishay, Mouser Part Number=782-TEFT4300, Arrow Part Number=TEFT4300, Arrow Price/Stock=https://www.arrow.com/en/products/teft4300/vishay?region=nac, Datasheet Link=https://datasheet.datasheetarchive.com/originals/distributors/Datasheets-310/86913.pdf, Height=6.1mm, Manufacturer_Part_Number=TEFT4300, Mouser Price/Stock=https://www.mouser.co.uk/ProductDetail/Vishay-Semiconductors/TEFT4300?qs=HsFHTXumnCRbcrt8oPFPMA%3D%3D
R_BT1 R_BZ R_EMPD1 R_EMPD2 R_EMPD3 R_LM1 R_LM2 R_PB1 R_RM1 R_RM2: library part CMP-2000-00064-1, Manufacturer=Panasonic, Resistance=43kΩ, Part Number=ERA3AEB433V
R_L_R R_LFr R_R_R R_RFr: library part CMP-03211-001802-1, "SMD Chip Resistor, Thin Film, 1.8KΩ, 100 V, 0805 [2012 Metric], 100 mW, 0.1%, RN73 Series", Manufacturer="TE Connectivity", Manufacturer Part Number=RN73C2A1K91BTDF, Package=RN732A, Power Rating=0.1W, Resistance=1.8kΩ, Temperature="-55°C to 155°C", Temperature Coefficient=10ppm/°C, Temperature Range High=155°C, Temperature Range Low=-55°C, Tolerance=0.1%, Voltage Rating=100V, Automotive=No, Category=Res, ComponentLink2Description=Datasheet, ComponentLink2URL=https://www.te.com/commerce/DocumentDelivery/DDEController?Action=showdoc&DocId=Data+Sheet%7F1773270%7FP%7Fpdf%7FEnglish%7FENG_DS_1773270_P.pdf%7F1676162-2, Composition="Thin Film", Device Class L1="Passive Components", Device Class L2=Resistors, Device Class L3="Chip SMD Resistors", Height=0.65mm, Ipc Land Pattern Name=RESC200125X55, Lead Free=Yes, Octopart=https://octopart.com/rn73c2a1k91btdf-te+connectivity-42431691, octopart_url=https://octopart.com/rn73c2a1k91btdf-te+connectivity-42431691, Packaging="1000 Reel", RoHS=TRUE, Series=RN73
R_LED7 R_PWR1 RL1 RL2 RL3 RL4 RL5 RL6 RL8 RL9 RL10 RL11: library part CMP-1659-00009-5, "RES 1K OHM 1% 1/10W 0603", Case Code (Imperial)=0603, Case Code (Metric)=1608, Max Operating Temperature=155°C, Max Power Dissipation=100mW, Min Operating Temperature=-55°C, Resistance=1kR, Resistance Tolerance=1%, Resistor Type="Thick Film", Temperature Coefficient=100ppm/°C, Voltage Rating=50V, Case/Package=0603, Construction=Rectangular, Contact Plating=Tin, Depth=0.8mm, Features="Moisture Resistant", Height=0.45mm, Lead Free="Lead Free", Length=1.6mm, Military Standard=Not, Number of Terminations=2, Packaging="Tape and Reel", Power Rating=100mW, Radiation Hardening=No, REACH SVHC="No SVHC", RoHS Compliant=Yes, Series=RC, Size Code=0603, Technology="THICK FILM", Termination=SMD/SMT, Tolerance=1%
R_LFe R_LR_E1 R_LR_E2 R_LR_E3 R_LR_E4 R_RFe: library part CMP-1013-00284-2, Manufacturer=Panasonic, Resistance=10Ω, Part Number=ERJ-6ENF10R0V
R_VM1: library part CMP-2000-00318-1, Manufacturer=Panasonic, Resistor=20kΩ, Part Number=ERJ-3EKF2002V
SP1: library part CMP-103888-000003-1, "BUZZER MAGNETIC 3V 12MM TH", Frequency=2.3kHz, Max Operating Temperature=70°C, Max Supply Current=30mA, Max Supply Voltage (DC)=4V, Min Operating Temperature=-20°C, Min Supply Voltage (DC)=2V, Nominal Supply Voltage (DC)=3V, Contact Plating=Tin, Diameter=12mm, Height=7.5mm, Input Type=DC, Mount="Through Hole", Operating Supply Current=30mA, Packaging=Tray, Sensing Method=Magnetic, Series=AI, Termination="PC Pins", Voltage Rating=3V
SW1: library part CMP-1696-00002-1, "Slide Switch, 500 V, -20 to 70 degC, 3-Pin THD, RoHS", Case\Package=SOT-23-5, Dropout Voltage="300 mV", Max Input Voltage="8 V", Max Operating Temperature="85 degC", Max Ouput Current="150 mA", Max Power Dissipation="250 mW", Min Input Voltage="4.3 V", Min Operating Temperature="-40 degC", Nominal Output Voltage="3.3 V", Package Quantity=3000, ComponentLink1Description="Manufacturer URL", ComponentLink1URL=http://www.e-switch.ch/en/, ComponentLink2Description=Datasheet, ComponentLink2URL=https://www.e-switch.com/system/asset/product_line/data_sheet/119/EG.pdf, DatasheetVersion=Oct-15, Height="1.3 mm", Length="3 mm", Mount="Surface Mount", Output Current="150 mA", Output Voltage="3.3 V", Outputs=1, PackageDescription="3-Pin Through Hole Device, Body 11.6 x 4 mm, Pitch 2.5 mm", PackageReference=EG1218, Packaging="Tape and Reel", Pins=5, Power Rating="250 mW", Radiation Hardening=No, REACH SVHC="No SVHC", RoHSCompliant=true, Width="1.8 mm"
SW_1 SW_2 SW_3: library part CMP-1684-00021-1, "Tact Switch, SPST-NO, 0.05 A, -35 to 85 degC, 4-Pin THD, RoHS, Bulk", Actuator Color=Black, Contact Rating @ Voltage=0.05A@24VDC, Dielectric Strength=500VAC, Manufacturer="TE Connectivity", Maximum AC Voltage Rating=N/A, Maximum Contact Resistance=100mOhm, Maximum DC Voltage Rating=24V, Minimum Insulation Resistance=100MOhm, Operating Temperature=-35to85C, Package Description="4-Pin Through Hole Device, Body 5.99 x 5.99 mm, Pitch 6.5 mm", Package Reference=THD, Actuator Length=1.4mm, Actuator Material=PolybutyleneTerephthalate, Actuator Style=RoundButton, Base Material=N/A, Body Orientation=Straight, Bushing Type=Unthreaded, Contact Material=CopperAlloy, Contact Plating=Silver, Datasheet URL=http://www.te.com/commerce/DocumentDelivery/DDEController?Action=showdoc&DocId=Customer+Drawing%7F1825910%7FC9%7Fpdf%7FEnglish%7FENG_CD_1825910_C9.pdf%7F1825910-6, Datasheet Version="Rev. C9", Dimension=5.99x5mm, Electrical Life=100000Cycles, Family=1825910, Function=MomentaryContact, Housing Material=N/A, Illumination=N/R, Manufacturer URL=http://www.te.com, Mechanical Life=100000Cycles, Mounting=ThroughHole, Packaging=N/A, Part No=1825910-6, Pole Throw Configuration=SPST, Product Weight=N/A, RoHS=Yes, Seal Description=N/A, Seal Location=N/A, Switch Configuration=OFF(ON), Terminal Type=PCPins, Thread Size=N/R
U1: library part CMP-209535-000001-1, "LDO Voltage Regulators 1A, 3.3V", Dropout Voltage=1.1V, Manufacturer="Advanced Monolithic Systems", Max Junction Temp=+125°C, Max Power Dissipation=1.2W, Max Supply Voltage=15V, Nominal Supply Current=5mA, Output Current=1A, Output Voltage=3.3V, Package=AMS1117, Temperature="-40°C to +125°C", Temperature Range Low=-40°C, Automotive=No, Category=IC, ComponentLink2Description=Datasheet, ComponentLink2URL=http://www.advanced-monolithic.com/pdf/ds1117.pdf, Device Class L1="Integrated Circuits (ICs)", Device Class L2="Power Management ICs", Device Class L3="Voltage Regulators - Linear", Height=1.8mm, Ipc Land Pattern Name=SOT229P700X180-4, Lead Free=Yes, Manufacturer Part Number=AMS1117-3.3, Number Of Outputs=1, Octopart=https://octopart.com/ams1117-3.3-advanced+monolithic+systems-25899300, Output Type=Fixed, RoHS=TRUE, Standoff Height=0.64mm, Temperature Range High=+125°C
U2: library part CMP-0395-00088-2, "Single Output Fast Transient Response LDO, 1 A, Fixed 5 V Output, 2.7 to 10 V Input, with Low IQ, 8-pin SOIC (D), -40 to 125 degC, Green (RoHS & no Sb/Br)", Manufacturer="Texas Instruments", Power Good=TRUE, Accuracy(%)=2, Code_JEDEC=MS-012, ComponentLink1Description="Manufacturer URL", ComponentLink1URL=http://www.ti.com/, ComponentLink2Description=Datasheet, ComponentLink2URL=http://www.ti.com/general/docs/lit/getliterature.tsp?genericPartNumber=TPS76850&fileType=pdf, ComponentLink3Description="Package Specification", ComponentLink3URL=http://www.ti.com/litv/pdf/msoi002j, DatasheetVersion=SLVS211L, Eco-Plan="Green (RoHS & no Sb/Br)", Fixed Output Options(V)=5, Iout(Max)(A)=1, Iq(Typ)(mA)=0.08, Mounting Technology="Surface Mount", PackageDescription="8-Pin Plastic Small Outline, Body 4.9 x 3.9 mm, Pitch 1.27 mm", PackageReference=D0008A, PackageVersion=4040047-3/M, PartNumber=TPS76850QDR, SubFamily="Single Channel LDO", Vdo(Typ)(mV)=230, Vin(Max)(V)=10, Vin(Min)(V)=2.7, Vout Adj(Max)(V)=5, Vout Adj(Min)(V)=5
U3: library part CMP-0395-00256-2, "Single Output Low Noise LDO, 400 mA, Fixed 3.3 V Output, 1.7 to 5.5 V Input, with Reverse Current Protection, 5-pin SOT-23 (DBV), -40 to 85 degC, Green (RoHS & no Sb/Br)", Manufacturer="Texas Instruments", Rating=Catalog, Accuracy(%)=1, Code_JEDEC=MO-178, ComponentLink1Description="Manufacturer URL", ComponentLink1URL=http://www.ti.com/, ComponentLink2Description=Datasheet, ComponentLink2URL=http://www.ti.com/general/docs/lit/getliterature.tsp?genericPartNumber=TPS73633&fileType=pdf, ComponentLink3Description="Package Specification", ComponentLink3URL=http://www.ti.com/litv/pdf/mpds018i, ComponentLink4Description="URL Link1", ComponentLink4URL="Samples URL:http://www.ti.com/product/tps73633#samples", DatasheetVersion=SBVS038T, Eco-Plan="Green (RoHS & no Sb/Br)", Fixed Output Options(V)=3.3, Iout(Max)(A)=0.4, Iq(Typ)(mA)=0.3, Mounting Technology="Surface Mount", PackageDescription="5-Pin Plastic Small Outline, Body 1.60 Ãƒâ€” 2.90 mm, Pitch 0.95 mm", PackageReference=DBV0005A, PackageVersion=4073253-4/K, PartNumber=TPS73633DBVR, SubFamily="Single Channel LDO", Vdo(Typ)(mV)=75, Vin(Max)(V)=5.5, Vin(Min)(V)=1.7, Vout Adj(Max)(V)=3.3, Vout Adj(Min)(V)=3.3
U4: library part CMP-0243-00092-2, "ARM Cortex-M4 32-bit MCU+FPU, 210 DMIPS, 1024 kB Flash, 192 kB Internal RAM, 51 I/Os, 64-pin LQFP, -40 to 85 degC, Tray", I/Os (High Current)=51, Manufacturer=STMicroelectronics, Operating Frequency(F) (Processor speed) (MHz)=168, Supply Voltage(Vcc) max (V)=3.6, Supply Voltage(Vcc) min (V)=1.8, ComponentLink1Description="Manufacturer URL", ComponentLink1URL=http://www.st.com/web/en/home.html, ComponentLink2Description=Datasheet, ComponentLink2URL=http://www.st.com/st-web-ui/static/active/en/resource/technical/document/datasheet/DM00037051.pdf, ComponentLink3Description="Package Specification", ComponentLink3URL=http://www.st.com/st-web-ui/static/active/en/resource/technical/document/datasheet/DM00037051.pdf, Core="ARM Cortex-M4", D/A Converter=2x12-bit, DatasheetVersion="Rev. 4", FLASH Size (Prog) (kB)=1024, Internal RAM Size (kB)=192, Mounting Technology="Surface Mount", PackageDescription="64-Pin Low Profile Quad Flat Package, 10 x 10 mm Body, 0.5 mm Pitch", PackageReference=LQFP64, PackageVersion="Rev. 4, 06/2013", Packing=Tray, PartNumber=STM32F405RGT6V
X1: "Crystal or Oscillator", Manufacturer_Name=NDK, Mouser Part Number=344-NX5032GA16MLNCD1, Datasheet Link=https://media.digikey.com/pdf/Data%20Sheets/NDK%20PDFs/NX5032GA.pdf, Height=1.5mm, Manufacturer_Part_Number=NX5032GA-16.000M-LN-CD-1, Mouser Price/Stock=https://www.mouser.co.uk/ProductDetail/NDK/NX5032GA-16.000M-LN-CD-1?qs=55YtniHzbhDnyNixVDBwYw%3D%3D

## Free pads (board coordinates)
  round 2 on Mech3: 1(45.97,2440) 1(45.97,2440) 1(236.97,785) 1(236.97,785) 1(237.97,1015) 1(237.97,1015) 1(237.97,1837) 1(237.97,1837) 1(237.97,2047) 1(237.97,2047) 1(333.97,1740) 1(333.97,1740) 1(334.97,1113) 1(334.97,1113) 1(1966.97,3900) 1(1966.97,3900) 1(2565.97,-1) 1(2565.97,-1) 1(2670.97,1108) 1(2670.97,1108) 1(2670.97,1734) 1(2670.97,1734) 1(2767.97,786) 1(2767.97,786) 1(2767.97,1011) 1(2767.97,1011) 1(2767.97,1831) 1(2767.97,1831) 1(2767.97,2046) 1(2767.97,2046) 1(2776.97,2046) 1(2776.97,2046) 1(2787.97,786) 1(2787.97,786) 1(2959.97,2440) 1(2959.97,2440)

## Via types
v1: diameter 30, hole 14, Top Layer to Bottom Layer, tented both sides, 73 vias
v2: diameter 98.43, hole 98.43, Top Layer to Bottom Layer, 4 vias
v3: diameter 50/50 (per signal layer), hole 21, Top Layer to Bottom Layer, 4 vias
v4: diameter 30, hole 14, Top Layer to Bottom Layer, tented top, 3 vias
v5: diameter 30, hole 14, Top Layer to Bottom Layer, 2 vias
v6: diameter 14, hole 14, Top Layer to Bottom Layer, tented bottom, 1 vias
v7: diameter 30, hole 15, Top Layer to Bottom Layer, 1 vias
v8: diameter 50, hole 28, Top Layer to Bottom Layer, 1 vias

## Nets (pads, with @x,y where several pads share a name; then routed paths per layer and width w, separated by ;. In a path a pad name is that pad's centre, name@x,y a point inside that pad or via, vN(x,y) a via of type N, cw(c..) or ccw(c..) an arc to the next point about the centre after c; other vN are vias at no path point)
3.3V: C_3.3V1.1 C_3.3V2.1 C_BAT.1 C_V1.2 C_V2.1 C_V3.1 C_V4.1 J4.3 J5.3 J6.5 L2.1 L_BEAD2.2 MISO_UP.2 R_UP1.2 R_UP2.2 R_UP3.2 R_UP4.2 RR_UP.2 SW_1.1 SW_3.1 U3.5 U4.1 U4.19 U4.32 U4.48 U4.64 | length 11638.9
  Top Layer w11: v1(950,2475) 1004.63,2475 MISO_UP.2@1005,2474.63 1047.49,2474.63 1092.13,2430 C_V4.1@1100,2430 1103.76,2426.24 1103.76,2401.24 1125,2380 1210.38,2380 1223.4,2366.98 ; v1@1118.3,1964.53 1151.88,1998.11 1151.88,1999 1152.28,1999.41 U4.48@1170,1999.41 ; U4.32@1248.74,2373.43 1229.85,2373.43 1223.4,2366.98 ; U4.19@1504.65,2373.43 1504.65,2315.35 ; U4.64@1544.02,1920.67 1544.02,1870.98 1601.72,1813.28 C_V3.1@1635.79,1813.28 ; U4.1@1622.76,1999.41 1640.47,1999.41 v1@1690,1949.88 ; C_V1.2@1635,2485 1635,2364.55 1615,2344.55 v1(1615,2340) 1575,2300 1520,2300 1504.65,2315.35 ; 1223.4,2366.98 1223.4,2357.87 1276.27,2305 1320,2305 1340,2285 1340,2220 1370,2190 1440,2190 1465,2215 1465,2257.64 1484.82,2277.46 1484.82,2295.53 1504.65,2315.35
  Top Layer w15: RR_UP.2@520,2579.63 521.18,2578.45 551.55,2578.45 ; J6.5@530,2060 455,2135 455,2310 415,2350 415,2420 460,2465 540.65,2465 575,2499.35 575,2555 551.55,2578.45 ; v1(615,2595) 568.1,2595 551.55,2578.45 ; R_UP3.2@729.26,560 R_UP4.2@729.26,625 729.63,625.37 729.63,689.63 v1(730,690) ; C_V2.1@1065,1964.53 1067.26,1962.26 1117.74,1962.26 v1(1120,1960) ; L_BEAD2.2@1588.5,2745 1588.5,2728.27 1615,2701.77 1615,2670 1635,2650 C_V1.2@1635,2485 ; C_V3.1@1637.43,1811.64 1723.73,1811.64 C_BAT.1@1726.62,1814.53 ; J5.3@1655,1330 1606.59,1378.41 1606.59,1559.4 1628.79,1581.59 1706.59,1581.59 1785,1660 1785,1775.66 1763.12,1797.55 1743.6,1797.55 C_BAT.1@1730,1811.14 ; L2.1@2065,2350 2068.59,2353.59 2068.59,2388.59 2093.74,2413.74 ; v4(2080,2440) 2080,2435.94 2093.74,2422.2 2093.74,2413.74 ; R_UP2.2@2260.37,560 R_UP1.2@2260.37,625 2260.18,625.18 2260.18,665.34 2278.15,683.3 2298.3,683.3 v3(2305,690) ; C_3.3V2.1@2340,2600.47 2332.13,2600.47 2320.93,2611.67 2320.93,2616.21 2312.14,2625 2267.86,2625 2259.07,2616.21 2259.07,2611.67 2247.87,2600.47 C_3.3V1.1@2240,2600.47 U3.5@2240,2529.8 2209.8,2529.8 2200,2520 2200,2445 2168.74,2413.74 2093.74,2413.74 ; SW_1.1@2405,175 2525,175 2670,320 SW_3.1@2670,448.47
  Top Layer w25: R_UP2.2@2260.37,558.99 R_UP2.2@2260.37,560
  Bottom Layer w11: v1(1615,2340) 1670,2285 1925,2285 v4(2080,2440)
  Bottom Layer w15: J6.5@530,2060 530,2005 575,1960 v1(1120,1960) 1245,1835 1245,1435 1180,1370 1085,1370 855,1140 855,1010 710,865 710,767.5 730,747.5 v1(730,690) ; v1(615,2595) 675,2535 890,2535 v1(950,2475) ; 1182.8,1367.2 1220,1330 J4.3@1345,1330 J5.3@1655,1330 1890,1330 2165,1605 ; v1(1690,1946.3) 1811.3,1825 1895,1825 2020,1950 2125,1950 2165,1910 2165,1605 ; SW_3.1@2666.42,452.05 2542.95,452.05 v3(2305,690) 2525,910 2525,1475 2450,1550 2220,1550 2165,1605
3.3V_RE: C_L_RE1.2 C_LF_RE1.2 C_R_RE1.2 C_RF_RE1.2 L1.2 Q_RS1.2 Q_RS2.2 Q_RS3.2 Q_RS4.2 Q_RS5.2 Q_RS6.2 | length 6038.8
  Top Layer w15: Q_RS1.2@549.24,3153.68 645.77,3057.15 C_LF_RE1.2@689.16,3057.15 ; C_LF_RE1.2@690,3056.3 C_LF_RE1.2@702.92,3069.23 ; Q_RS2.2@952.8,3519.43 947.24,3525 880,3525 830,3475 830,3370 890,3310 890,3225 926.76,3188.24 966.76,3188.24 C_L_RE1.2@970,3185 ; C_R_RE1.2@2055,3119.02 2077.03,3096.99 2099.02,3075 2280,3075 2435,3230 2530,3230 2559.24,3200.76 Q_RS4.2@2559.24,3136.32 2565,3130.56 2565,2833.47 2538.12,2806.6 2527.03,2806.6 C_RF_RE1.2@2505,2784.57 ; C_R_RE1.2@2055,3120 2055,3120.98 2140,3205.98 2140,3436.16 Q_RS3.2@2147.8,3443.96 2153.37,3438.4 2221.69,3438.4 2253.29,3470 Q_RS6.2@2255,3470 2260,3475 2435,3475 2715,3195 2715,3015 2905,2825 2905,2615 2930,2590 2930,2345 2870,2285 2840.81,2285 2836.5,2280.69 L1.2@2836.5,2280
  Bottom Layer w15: Q_RS1.2@549.24,3153.68 549.24,3392.6 726.64,3570 Q_RS5.2@740,3570 902.24,3570 Q_RS2.2@952.8,3519.43 959.46,3526.09 1986.09,3526.09 2065,3605 2135,3605 2185,3555 2185,3483.4 2147.8,3446.2 Q_RS3.2@2147.8,3443.96
5V: C_3.3V4.1 C_3.3V5.1 C_3V3RE1.1 C_3V3RE2.1 C_5V_1.1 C_5V_2.1 C_EM1.1 C_EM2.2 C_EM3.1 C_EM4.2 C_EM5.1 C_EM6.2 D_ES1.2 D_ES2.2 D_ES4.2 D_ES5.2 J7.4 P1.2 R_PWR1.2 U1.3 U2.5 U2.6 U3.1 U3.3 | length 12918.6
  Top Layer w15: R_PWR1.2@120,618.28 120,675 190,745 224.27,745 390,910.73 390,1965 220,2135 220,2435 193.72,2461.28 153.72,2461.28 140,2475 140,2493.35 162.13,2515.47 C_EM5.1@170,2515.47 261.97,2515.47 C_EM4.2@265,2518.5 308.5,2518.5 325,2535 325,2677.08 D_ES1.2@230.76,2771.32 ; D_ES2.2@1282.2,3600.57 1442.39,3600.57 1447.95,3595 1475.47,3567.48 C_EM3.1@1475.47,3470 ; U3.3@2139.61,2455 2142.93,2458.33 2153.36,2458.33 2170.85,2475.82 2170.85,2508.51 2152.88,2526.48 2142.93,2526.48 U3.1@2139.61,2529.8 2139.61,2647.95 2282.13,2790.47 C_3.3V4.1@2290,2790.47 C_3.3V5.1@2395,2790.47 2395,2720 2445,2670 2718.48,2670 ; C_5V_1.1@2149.88,2345 2149.88,2356.93 2161.08,2368.13 2182.18,2368.13 2229.53,2415.47 2305.71,2415.47 2342.13,2379.06 2357.87,2379.06 2382.73,2354.2 2383,2354.2 2429.53,2307.67 2429.53,2170.47 2391.16,2132.11 ; U2.6@2285,2225 2285,2231.16 2289.31,2235.47 2330.69,2235.47 2335,2231.16 U2.5@2335,2225 2337.13,2222.87 2337.13,2186.14 2391.16,2132.11 ; C_3V3RE1.1@2425.47,1995 2425.47,1929.53 2474.53,1880.47 2565,1880.47 C_3V3RE2.1@2570,1875.47 2577.87,1875.47 2612.55,1840.8 2708,1840.8 2745,1877.8 2745,1990 2683.48,2051.52 2683.48,2065.49 2695.16,2077.17 U1.3@2695.16,2085 2694.73,2085.43 2694.73,2124.73 v4(2695,2125) ; C_3V3RE1.1@2425.47,2002.87 2391.16,2037.18 2391.16,2132.11 ; C_EM6.2@2730,2547.99 2733.46,2544.53 C_EM1.1@2820,2544.53 2818.48,2546.05 2818.48,2570 2718.48,2670 ; D_ES4.2@2769.24,2771.32 2769.24,2720.76 2718.48,2670
  Bottom Layer w15: D_ES1.2@230.76,2771.32 355,2647.08 ; J7.4@785,2400 705,2480 400,2480 320,2560 320,2615 352.08,2647.08 355,2647.08 ; D_ES2.2@1284.93,3595 D_ES2.2@1290,3595 ; P1.2@1300,2610 1230,2680 1205,2680 1110,2775 1110,2860 1055,2915 805,2915 537.08,2647.08 355,2647.08
  Bottom Layer w30: D_ES1.2@230.76,2771.32 230.76,2995.76 330,3095 330,3270 710,3650 839.85,3650 892.43,3702.57 ; D_ES5.2@1065,3625 1244.57,3625 1269.01,3600.57 D_ES2.2@1282.2,3600.57 ; D_ES5.2@1075,3630 965,3630 892.43,3702.57 ; v4(2695,2125) 2769.24,2199.24 D_ES4.2@2769.24,2771.32 2769.24,3160.76 2085,3845 1010,3845 892.43,3727.43 892.43,3702.57
A3.3V: C_IMU2.1 C_IMU3.1 C_IMU4.1 C_VA1.1 C_VA2.2 IC3.1 IC3.15 IC3.16 L2.2 U4.13 | length 2355.9
  Top Layer w11: v1(1355,3430) 1358.64,3426.36 1373.64,3426.36 1440.22,3359.78 1448.39,3359.78 IC3.1@1457.35,3359.78 ; IC3.1@1463.58,3361.39 1469.44,3367.24 IC3.16@1485.32,3367.24 IC3.15@1505,3367.24 ; U4.13@1622.76,2235.63 1623.04,2235.91 1651.97,2235.91 1686.51,2270.45 1686.51,2326.51 v1(1725,2365) 1792.48,2365 1798.93,2358.56 1798.93,2357.73 1812.13,2344.53 C_VA2.2@1820,2344.53
  Top Layer w15: C_IMU3.1@1230,3384.53 C_IMU4.1@1325,3384.53 1325,3420 1333.79,3428.79 1353.79,3428.79 v1(1355,3430) ; C_IMU2.1@1289.06,3245 1290.53,3246.47 1321.47,3246.47 1367.07,3292.07 1367.07,3350.59 1344.34,3373.33 1344.07,3373.33 C_IMU4.1@1332.87,3384.53 ; C_VA2.2@1820,2344.53 1905.47,2344.53 C_VA1.1@1910,2340 1914.31,2344.31 1997.7,2344.31 2002.01,2348.62 L2.2@2002.01,2350
  Bottom Layer w15: v1(1355,3430) 1525,3430 1740,3215 1740,3175 1725,3160 v1(1725,2365)
AGND: C_IMU1.1 C_IMU2.2 C_IMU3.2 C_IMU4.2 C_VA1.2 C_VA2.1 IC3.8 IC3.9 IC3.10 IC3.11 IC3.12 IC3.13 NT2.2 U4.12 | length 8615.9
  Top Layer w11: IC3.8@1524.77,3272.67 1524.77,3251.09 1535,3240.86 ; C_IMU1.1@1535,3202.56 1535,3240.86 ; 1546.42,3272.76 1546.42,3279.72 1547.32,3280.63 IC3.9@1552.24,3280.63 IC3.10@1552.24,3300.32 IC3.11@1552.24,3320 IC3.12@1552.24,3339.69 IC3.13@1552.24,3359.37 ; IC3.9@1550.58,3278.58 1550.58,3256.44 1535,3240.86 ; v1(1565,2210) 1570.14,2210 1576.09,2215.95 U4.12@1622.76,2215.95 1685.95,2215.95 1755.47,2285.47 ; v1(1735,2320) 1738.64,2316.36 1738.64,2302.31 1747.69,2293.25 1755.47,2285.47 ; C_VA2.1@1820,2285.47 1755.47,2285.47
  Top Layer w15: v1(1230,3170) C_IMU2.2@1230,3245 C_IMU3.2@1230,3325.47 C_IMU4.2@1325,3325.47 ; C_IMU1.1@1535,3202.56 1539.92,3202.56 1570,3232.64 v1(1570,3235) ; C_VA2.1@1820,2285.47 1907.76,2285.47 C_VA1.2@1910,2287.71
  Bottom Layer w15: 525,2115 543.46,2115 580,2078.46 580,2041.54 609.95,2011.59 650.05,2011.59 651.33,2012.87 1592.87,2012.87 1625,2045 1625,2200 1615,2210 v1(1565,2210) ; v1(1570,3235) 1570,3160 1455,3045 1200,3045 1185,3060 1185,3125 1231.66,3171.66 1231.66,3396.66 1304.99,3469.99 1570.01,3469.99 1795,3245 1795,3155 1770,3130 1770,2355.77 1735,2320.77 v1(1735,2320)
  Bottom Layer w20: 525,2115 513.01,2115 400,2001.99 400,915 171,686 171,354 495,30 NT2.2@1903.09,30